# Altium PCB Main_Board.PcbDoc (part 5 of 19) (continued)
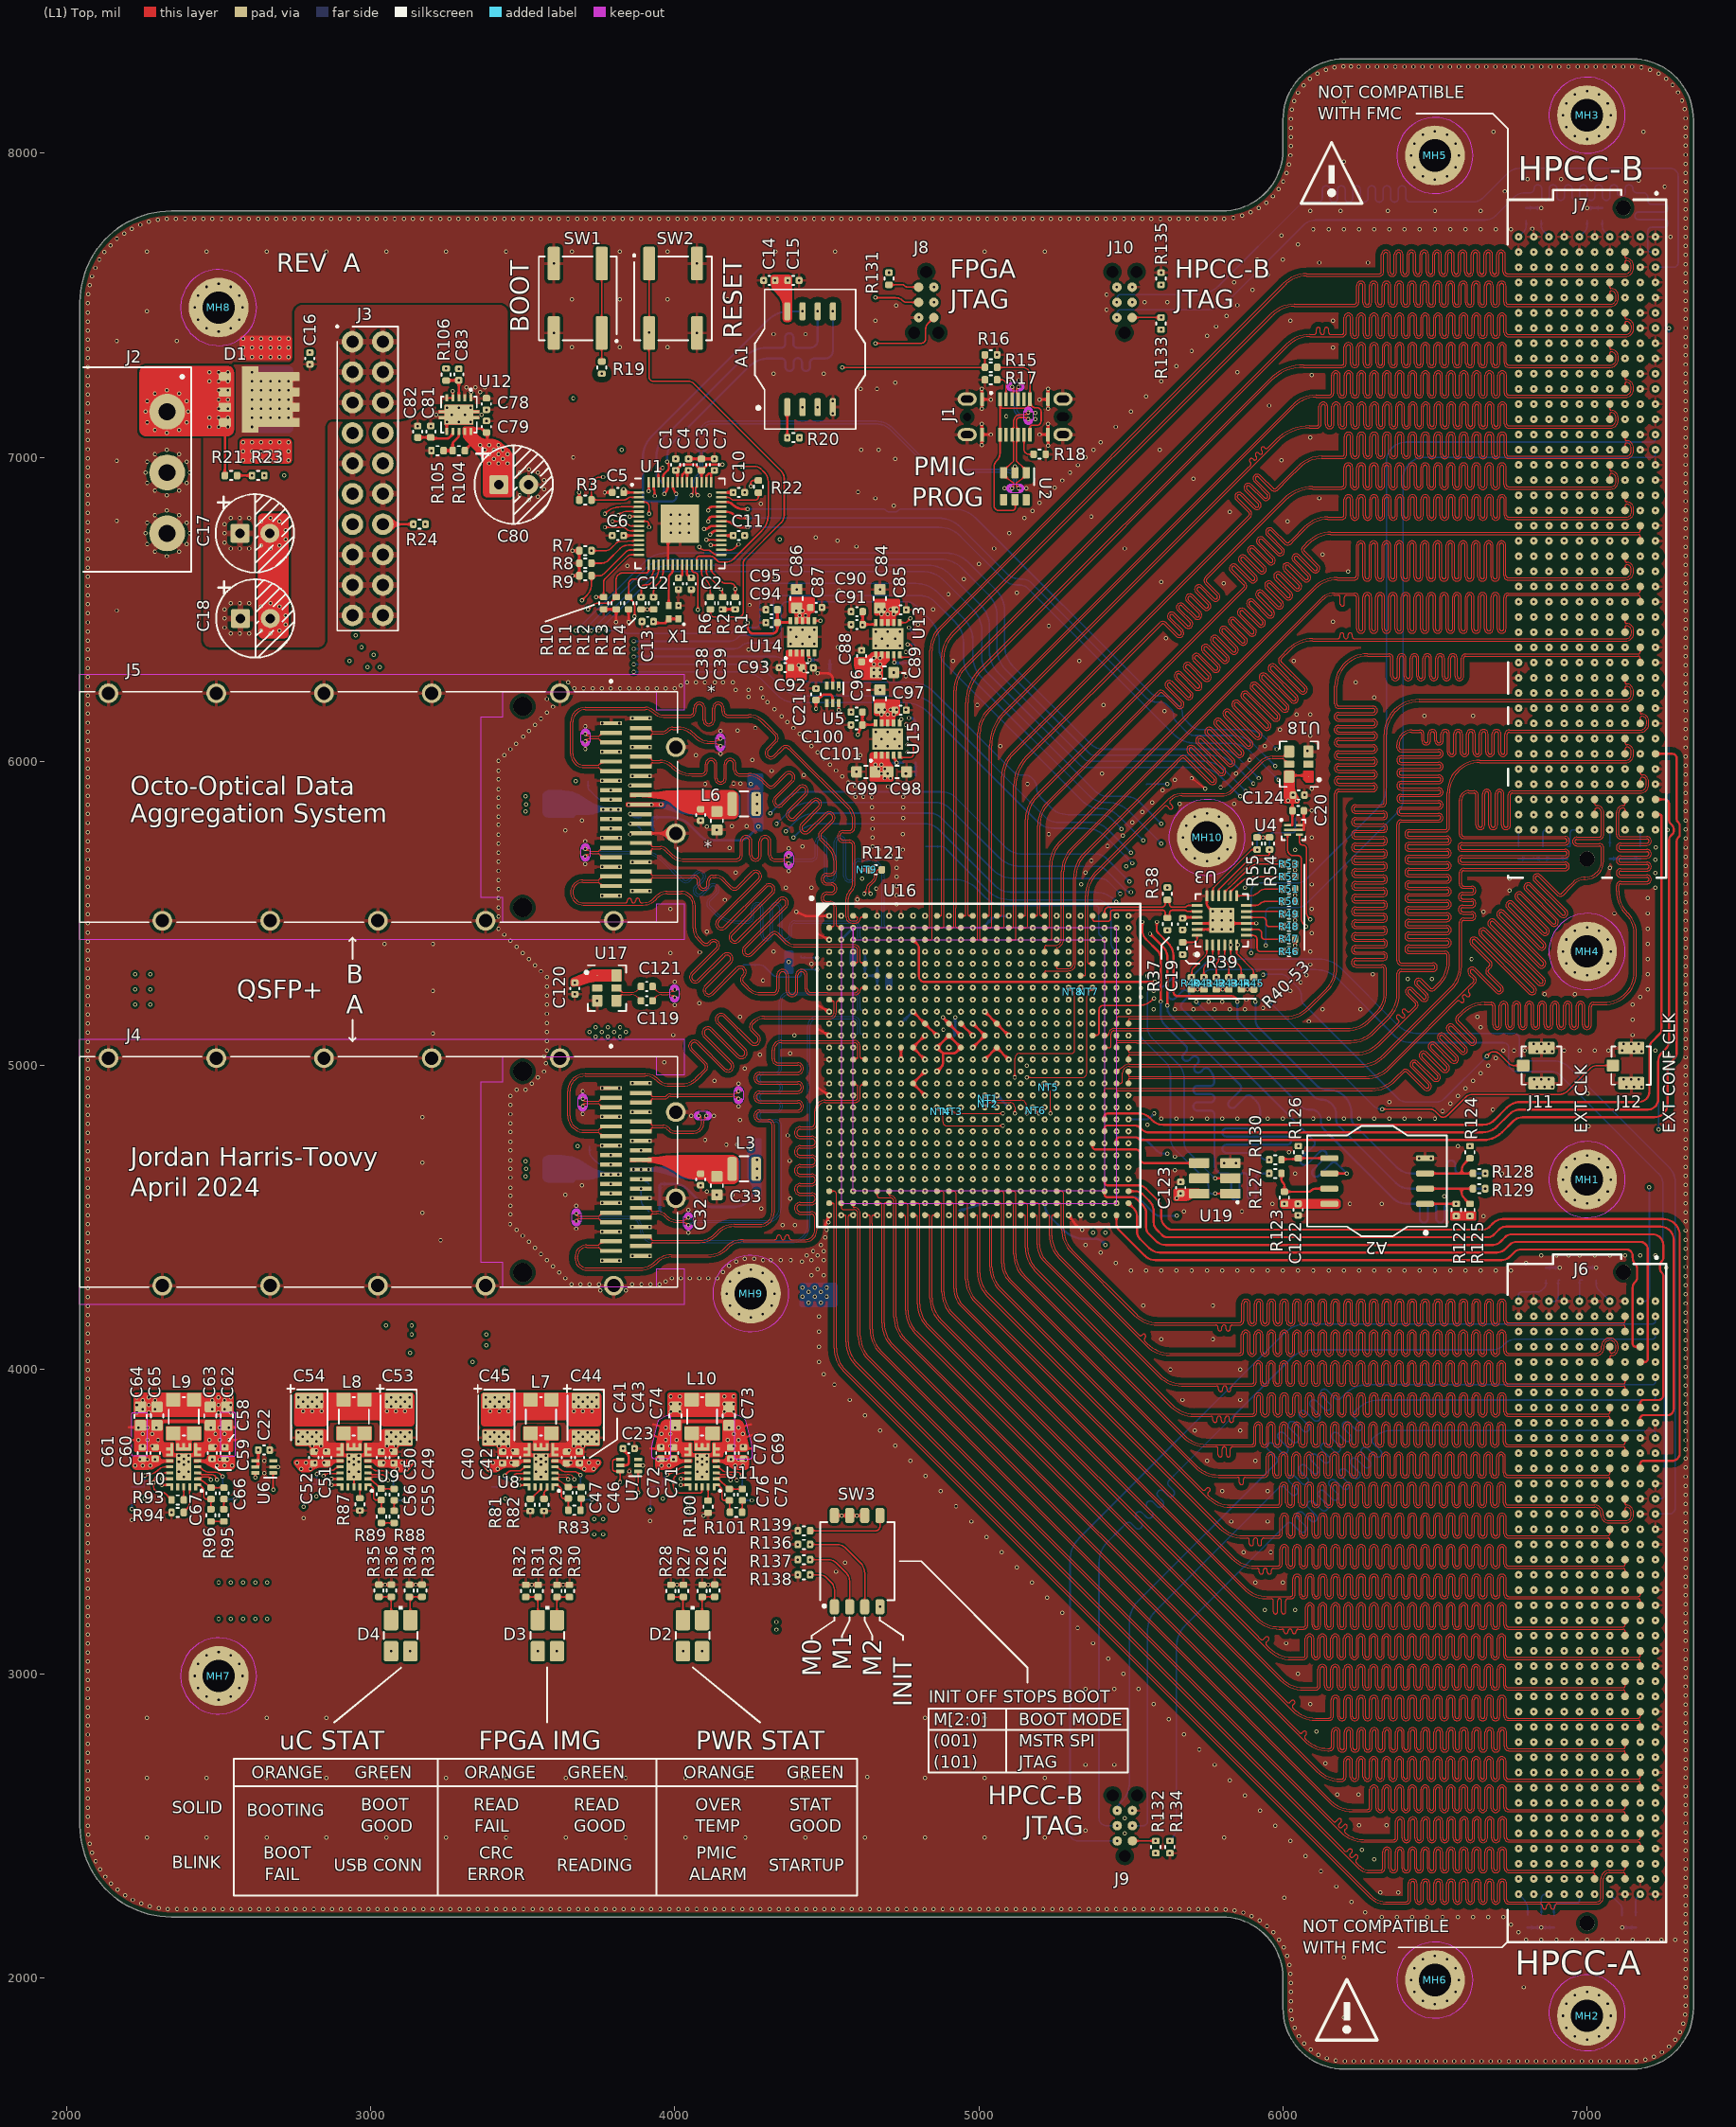
[diagram p0: (L1) Top view]
## Nets (pads, with @x,y where several pads share a name; then routed paths per layer and width w, separated by ;. In a path a pad name is that pad's centre, name@x,y a point inside that pad or via, vN(x,y) a via of type N, cw(c..) or ccw(c..) an arc to the next point about the centre after c; other vN are vias at no path point) (continued)
HPCC_A_05_P: J6.B36 U16.AE3 | length 5022.4
  (L1) Top w3.5: U16.AE3@4586.61,4547.24 4586.61,4536.39 ccw(c4590,4536.39) 4590,4533 cw(c4590,4513) 4610,4513 4610,4481.45 4610.2,4481.25 4610.2,4111.22 ccw(c4710.2,4111.22) 4639.49,4040.51 6149.23,2530.77 6165.26,2514.74 ccw(c6170.03,2519.51) 6174.81,2514.74 6181.37,2521.31 cw(c6186.14,2516.53) 6190.92,2521.31 cw(c6186.14,2516.53) 6190.92,2511.76 6184.21,2505.05 ccw(c6188.98,2500.28) 6184.21,2495.51 ccw(c6188.98,2500.28) 6193.76,2495.51 6200.46,2502.21 cw(c6205.24,2497.44) 6210.01,2502.21 cw(c6205.24,2497.44) 6210.01,2492.67 6204.26,2486.92 ccw(c6209.03,2482.15) 6204.85,2476.85 6214.89,2468.91 ccw(c6267.42,2554) 6216.43,2467.98 ccw(c6267.42,2554) 6260.75,2454.22 ccw(c6267.42,2554) 6267.42,2454 6358.35,2454 6363.88,2454 ccw(c6363.88,2460.75) 6370.63,2460.75 6370.63,2514.75 cw(c6384.93,2514.75) 6399.23,2514.75 6399.23,2458.73 ccw(c6405.98,2458.73) 6412.73,2458.73 6412.73,2514.75 cw(c6427.03,2514.75) 6441.33,2514.75 6441.33,2458.73 ccw(c6448.08,2458.73) 6454.83,2458.73 6454.83,2514.75 cw(c6469.13,2514.75) 6483.43,2514.75 6483.43,2458.73 ccw(c6490.18,2458.73) 6496.93,2458.73 6496.93,2514.75 cw(c6511.23,2514.75) 6525.53,2514.75 6525.53,2458.73 ccw(c6532.28,2458.73) 6539.03,2458.73 6539.03,2514.75 cw(c6553.33,2514.75) 6567.63,2514.75 6567.63,2458.73 ccw(c6574.38,2458.73) 6581.13,2458.73 6581.13,2514.75 cw(c6595.43,2514.75) 6609.73,2514.75 6609.73,2458.73 ccw(c6616.48,2458.73) 6623.23,2458.73 6623.23,2514.75 cw(c6637.53,2514.75) 6651.83,2514.75 6651.83,2458.73 ccw(c6658.58,2458.73) 6665.33,2458.73 6665.33,2514.75 cw(c6679.63,2514.75) 6693.93,2514.75 6693.93,2458.73 ccw(c6700.68,2458.73) 6707.43,2458.73 6707.43,2514.75 cw(c6721.73,2514.75) 6736.03,2514.75 6736.03,2460.75 ccw(c6742.78,2460.75) 6742.78,2454 6771,2454 7169,2454 ccw(c7169,2460) 7175,2460 J6.B36@7175,2475
HPCC_A_06_N: J6.C3 U16.AE20 | length 5138.8
  (L1) Top w3.5: U16.AE20@5255.91,4547.24 5266.9,4547.24 cw(c5266.9,4542.15) 5272,4542.15 5272,4461.87 ccw(c5379.55,4461.87) 5303.5,4385.82 5511.37,4177.95 ccw(c5587.42,4254) 5587.42,4146.45 5764,4146.45 5779.25,4146.45 cw(c5779.25,4139.7) 5786,4139.7 5786,4133.82 ccw(c5792.75,4133.82) 5799.5,4133.82 5799.5,4139.9 cw(c5806.25,4139.9) 5813,4139.9 5813,4133.82 ccw(c5819.75,4133.82) 5826.5,4133.82 5826.5,4139.7 cw(c5833.25,4139.7) 5833.25,4146.45 5844,4146.45 5851.54,4146.45 5857.06,4146.45 ccw(c5857.06,4160.75) 5871.36,4160.75 5871.36,4217.14 cw(c5878.11,4217.14) 5884.86,4217.14 5884.86,4158.45 ccw(c5899.16,4158.45) 5913.46,4158.45 5913.46,4217.14 cw(c5920.21,4217.14) 5926.96,4217.14 5926.96,4158.45 ccw(c5941.26,4158.45) 5955.56,4158.45 5955.56,4217.14 cw(c5962.31,4217.14) 5969.06,4217.14 5969.06,4158.45 ccw(c5983.36,4158.45) 5997.66,4158.45 5997.66,4217.14 cw(c6004.41,4217.14) 6011.16,4217.14 6011.16,4158.45 ccw(c6025.46,4158.45) 6039.76,4158.45 6039.76,4217.14 cw(c6046.51,4217.14) 6053.26,4217.14 6053.26,4158.45 ccw(c6067.56,4158.45) 6081.86,4158.45 6081.86,4217.14 cw(c6088.61,4217.14) 6095.36,4217.14 6095.36,4158.45 ccw(c6109.66,4158.45) 6123.96,4158.45 6123.96,4217.14 cw(c6130.71,4217.14) 6137.46,4217.14 6137.46,4158.45 ccw(c6151.76,4158.45) 6166.06,4158.45 6166.06,4217.14 cw(c6172.81,4217.14) 6179.56,4217.14 6179.56,4158.45 ccw(c6193.86,4158.45) 6208.16,4158.45 6208.16,4217.14 cw(c6214.91,4217.14) 6221.66,4217.14 6221.66,4158.45 ccw(c6235.96,4158.45) 6250.26,4158.45 6250.26,4217.14 cw(c6257.01,4217.14) 6263.76,4217.14 6263.76,4158.45 ccw(c6278.06,4158.45) 6292.36,4158.45 6292.36,4217.14 cw(c6299.11,4217.14) 6305.86,4217.14 6305.86,4158.45 ccw(c6320.16,4158.45) 6334.46,4158.45 6334.46,4217.14 cw(c6341.21,4217.14) 6347.96,4217.14 6347.96,4158.45 ccw(c6362.26,4158.45) 6376.56,4158.45 6376.56,4217.14 cw(c6383.31,4217.14) 6390.06,4217.14 6390.06,4158.45 ccw(c6404.36,4158.45) 6418.66,4158.45 6418.66,4217.14 cw(c6425.41,4217.14) 6432.16,4217.14 6432.16,4158.45 ccw(c6446.46,4158.45) 6460.76,4158.45 6460.76,4217.14 cw(c6467.51,4217.14) 6474.26,4217.14 6474.26,4158.45 ccw(c6488.56,4158.45) 6502.86,4158.45 6502.86,4217.14 cw(c6509.61,4217.14) 6516.36,4217.14 6516.36,4158.45 ccw(c6530.66,4158.45) 6544.96,4158.45 6544.96,4217.14 cw(c6551.71,4217.14) 6558.46,4217.14 6558.46,4158.45 ccw(c6572.76,4158.45) 6587.06,4158.45 6587.06,4217.14 cw(c6593.81,4217.14) 6600.56,4217.14 6600.56,4158.45 ccw(c6614.86,4158.45) 6629.16,4158.45 6629.16,4217.14 cw(c6635.91,4217.14) 6642.66,4217.14 6642.66,4158.45 ccw(c6656.96,4158.45) 6671.26,4158.45 6671.26,4217.14 cw(c6678.01,4217.14) 6684.76,4217.14 6684.76,4158.45 ccw(c6699.06,4158.45) 6713.36,4158.45 6713.36,4217.14 cw(c6720.11,4217.14) 6726.86,4217.14 6726.86,4160.75 ccw(c6741.16,4160.75) 6741.16,4146.45 6802,4146.45 7120,4146.45 cw(c7120,4141.45) 7125,4141.45 J6.C3@7125,4125
HPCC_A_06_P: J6.C2 U16.AD20 | length 5116.6
  (L1) Top w3.5: U16.AD20@5255.91,4586.61 5269.83,4586.61 cw(c5269.83,4577.1) 5279.35,4577.1 5279.35,4481.45 5279.55,4481.25 5279.55,4461.87 ccw(c5379.55,4461.87) 5308.84,4391.16 5516.71,4183.29 ccw(c5587.42,4254) 5587.42,4154 5851.54,4154 5857.06,4154 ccw(c5857.06,4160.75) 5863.81,4160.75 5863.81,4217.14 cw(c5878.11,4217.14) 5892.41,4217.14 5892.41,4158.45 ccw(c5899.16,4158.45) 5905.91,4158.45 5905.91,4217.14 cw(c5920.21,4217.14) 5934.51,4217.14 5934.51,4158.45 ccw(c5941.26,4158.45) 5948.01,4158.45 5948.01,4217.14 cw(c5962.31,4217.14) 5976.61,4217.14 5976.61,4158.45 ccw(c5983.36,4158.45) 5990.11,4158.45 5990.11,4217.14 cw(c6004.41,4217.14) 6018.71,4217.14 6018.71,4158.45 ccw(c6025.46,4158.45) 6032.21,4158.45 6032.21,4217.14 cw(c6046.51,4217.14) 6060.81,4217.14 6060.81,4158.45 ccw(c6067.56,4158.45) 6074.31,4158.45 6074.31,4217.14 cw(c6088.61,4217.14) 6102.91,4217.14 6102.91,4158.45 ccw(c6109.66,4158.45) 6116.41,4158.45 6116.41,4217.14 cw(c6130.71,4217.14) 6145.01,4217.14 6145.01,4158.45 ccw(c6151.76,4158.45) 6158.51,4158.45 6158.51,4217.14 cw(c6172.81,4217.14) 6187.11,4217.14 6187.11,4158.45 ccw(c6193.86,4158.45) 6200.61,4158.45 6200.61,4217.14 cw(c6214.91,4217.14) 6229.21,4217.14 6229.21,4158.45 ccw(c6235.96,4158.45) 6242.71,4158.45 6242.71,4217.14 cw(c6257.01,4217.14) 6271.31,4217.14 6271.31,4158.45 ccw(c6278.06,4158.45) 6284.81,4158.45 6284.81,4217.14 cw(c6299.11,4217.14) 6313.41,4217.14 6313.41,4158.45 ccw(c6320.16,4158.45) 6326.91,4158.45 6326.91,4217.14 cw(c6341.21,4217.14) 6355.51,4217.14 6355.51,4158.45 ccw(c6362.26,4158.45) 6369.01,4158.45 6369.01,4217.14 cw(c6383.31,4217.14) 6397.61,4217.14 6397.61,4158.45 ccw(c6404.36,4158.45) 6411.11,4158.45 6411.11,4217.14 cw(c6425.41,4217.14) 6439.71,4217.14 6439.71,4158.45 ccw(c6446.46,4158.45) 6453.21,4158.45 6453.21,4217.14 cw(c6467.51,4217.14) 6481.81,4217.14 6481.81,4158.45 ccw(c6488.56,4158.45) 6495.31,4158.45 6495.31,4217.14 cw(c6509.61,4217.14) 6523.91,4217.14 6523.91,4158.45 ccw(c6530.66,4158.45) 6537.41,4158.45 6537.41,4217.14 cw(c6551.71,4217.14) 6566.01,4217.14 6566.01,4158.45 ccw(c6572.76,4158.45) 6579.51,4158.45 6579.51,4217.14 cw(c6593.81,4217.14) 6608.11,4217.14 6608.11,4158.45 ccw(c6614.86,4158.45) 6621.61,4158.45 6621.61,4217.14 cw(c6635.91,4217.14) 6650.21,4217.14 6650.21,4158.45 ccw(c6656.96,4158.45) 6663.71,4158.45 6663.71,4217.14 cw(c6678.01,4217.14) 6692.31,4217.14 6692.31,4158.45 ccw(c6699.06,4158.45) 6705.81,4158.45 6705.81,4217.14 cw(c6720.11,4217.14) 6734.41,4217.14 6734.41,4160.75 ccw(c6741.16,4160.75) 6741.16,4154 6802,4154 7120,4154 ccw(c7120,4159) 7125,4159 J6.C2@7125,4175
HPCC_A_07_N: J6.C7 U16.AF18 | length 4955.6
  (L1) Top w3.5: U16.AF18@5177.17,4507.87 5187.13,4507.87 cw(c5187.13,4503) 5192,4503 5192,4411.87 ccw(c5275.41,4411.87) 5216.43,4352.89 5592.47,3976.86 ccw(c5666.39,4050.78) 5666.39,3946.24 5766.5,3946.24 5781.75,3946.24 cw(c5781.75,3939.49) 5788.5,3939.49 5788.5,3934.36 ccw(c5795.25,3934.36) 5802,3934.36 5802,3939.69 cw(c5808.75,3939.69) 5815.5,3939.69 5815.5,3934.36 ccw(c5822.25,3934.36) 5829,3934.36 5829,3939.49 cw(c5835.75,3939.49) 5835.75,3946.24 5850.77,3946.24 5851,3946.24 5897.98,3946.24 ccw(c5897.98,3960.54) 5912.28,3960.54 5912.28,4013.79 cw(c5919.03,4013.79) 5925.78,4013.79 5925.78,3959.84 ccw(c5940.08,3959.84) 5954.38,3959.84 5954.38,4013.79 cw(c5961.13,4013.79) 5967.88,4013.79 5967.88,3959.84 ccw(c5982.18,3959.84) 5996.48,3959.84 5996.48,4013.79 cw(c6003.23,4013.79) 6009.98,4013.79 6009.98,3959.84 ccw(c6024.28,3959.84) 6038.58,3959.84 6038.58,4013.79 cw(c6045.33,4013.79) 6052.08,4013.79 6052.08,3959.84 ccw(c6066.38,3959.84) 6080.68,3959.84 6080.68,4013.79 cw(c6087.43,4013.79) 6094.18,4013.79 6094.18,3959.84 ccw(c6108.48,3959.84) 6122.78,3959.84 6122.78,4013.79 cw(c6129.53,4013.79) 6136.28,4013.79 6136.28,3959.84 ccw(c6150.58,3959.84) 6164.88,3959.84 6164.88,4013.79 cw(c6171.63,4013.79) 6178.38,4013.79 6178.38,3959.84 ccw(c6192.68,3959.84) 6206.98,3959.84 6206.98,4013.79 cw(c6213.73,4013.79) 6220.48,4013.79 6220.48,3959.84 ccw(c6234.78,3959.84) 6249.08,3959.84 6249.08,4013.79 cw(c6255.83,4013.79) 6262.58,4013.79 6262.58,3959.84 ccw(c6276.88,3959.84) 6291.18,3959.84 6291.18,4013.79 cw(c6297.93,4013.79) 6304.68,4013.79 6304.68,3959.84 ccw(c6318.98,3959.84) 6333.28,3959.84 6333.28,4013.79 cw(c6340.03,4013.79) 6346.78,4013.79 6346.78,3959.84 ccw(c6361.08,3959.84) 6375.38,3959.84 6375.38,4013.79 cw(c6382.13,4013.79) 6388.88,4013.79 6388.88,3959.84 ccw(c6403.18,3959.84) 6417.48,3959.84 6417.48,4013.79 cw(c6424.23,4013.79) 6430.98,4013.79 6430.98,3959.84 ccw(c6445.28,3959.84) 6459.58,3959.84 6459.58,4013.79 cw(c6466.33,4013.79) 6473.08,4013.79 6473.08,3959.84 ccw(c6487.38,3959.84) 6501.68,3959.84 6501.68,4013.79 cw(c6508.43,4013.79) 6515.18,4013.79 6515.18,3959.84 ccw(c6529.48,3959.84) 6543.78,3959.84 6543.78,4013.79 cw(c6550.53,4013.79) 6557.28,4013.79 6557.28,3959.84 ccw(c6571.58,3959.84) 6585.88,3959.84 6585.88,4013.79 cw(c6592.63,4013.79) 6599.38,4013.79 6599.38,3959.84 ccw(c6613.68,3959.84) 6627.98,3959.84 6627.98,4013.79 cw(c6634.73,4013.79) 6641.48,4013.79 6641.48,3959.84 ccw(c6655.78,3959.84) 6670.08,3959.84 6670.08,4013.79 cw(c6676.83,4013.79) 6683.58,4013.79 6683.58,3959.84 ccw(c6697.88,3959.84) 6712.18,3959.84 6712.18,4013.79 cw(c6718.93,4013.79) 6725.68,4013.79 6725.68,3960.54 ccw(c6739.98,3960.54) 6739.98,3946.24 6766.56,3946.24 7111.69,3946.24 ; 7111.7,3946.22 7121.5,3946.22 cw(c7121.5,3942.73) 7123.97,3945.2 cw(c7121.5,3942.72) 7125,3942.72 J6.C7@7125,3925
HPCC_A_07_P: J6.C6 U16.AE18 | length 4937.4
  (L1) Top w3.5: U16.AE18@5177.17,4547.24 5190.95,4547.24 cw(c5190.95,4538.84) 5199.35,4538.84 5199.35,4481.45 5199.55,4481.25 5199.55,4411.87 ccw(c5275.41,4411.87) 5221.77,4358.23 5597.8,3982.2 ccw(c5666.39,4050.78) 5666.39,3953.79 5851,3953.79 5897.98,3953.79 ccw(c5897.98,3960.54) 5904.73,3960.54 5904.73,4013.79 cw(c5919.03,4013.79) 5933.33,4013.79 5933.33,3959.84 ccw(c5940.08,3959.84) 5946.83,3959.84 5946.83,4013.79 cw(c5961.13,4013.79) 5975.43,4013.79 5975.43,3959.84 ccw(c5982.18,3959.84) 5988.93,3959.84 5988.93,4013.79 cw(c6003.23,4013.79) 6017.53,4013.79 6017.53,3959.84 ccw(c6024.28,3959.84) 6031.03,3959.84 6031.03,4013.79 cw(c6045.33,4013.79) 6059.63,4013.79 6059.63,3959.84 ccw(c6066.38,3959.84) 6073.13,3959.84 6073.13,4013.79 cw(c6087.43,4013.79) 6101.73,4013.79 6101.73,3959.84 ccw(c6108.48,3959.84) 6115.23,3959.84 6115.23,4013.79 cw(c6129.53,4013.79) 6143.83,4013.79 6143.83,3959.84 ccw(c6150.58,3959.84) 6157.33,3959.84 6157.33,4013.79 cw(c6171.63,4013.79) 6185.93,4013.79 6185.93,3959.84 ccw(c6192.68,3959.84) 6199.43,3959.84 6199.43,4013.79 cw(c6213.73,4013.79) 6228.03,4013.79 6228.03,3959.84 ccw(c6234.78,3959.84) 6241.53,3959.84 6241.53,4013.79 cw(c6255.83,4013.79) 6270.13,4013.79 6270.13,3959.84 ccw(c6276.88,3959.84) 6283.63,3959.84 6283.63,4013.79 cw(c6297.93,4013.79) 6312.23,4013.79 6312.23,3959.84 ccw(c6318.98,3959.84) 6325.73,3959.84 6325.73,4013.79 cw(c6340.03,4013.79) 6354.33,4013.79 6354.33,3959.84 ccw(c6361.08,3959.84) 6367.83,3959.84 6367.83,4013.79 cw(c6382.13,4013.79) 6396.43,4013.79 6396.43,3959.84 ccw(c6403.18,3959.84) 6409.93,3959.84 6409.93,4013.79 cw(c6424.23,4013.79) 6438.53,4013.79 6438.53,3959.84 ccw(c6445.28,3959.84) 6452.03,3959.84 6452.03,4013.79 cw(c6466.33,4013.79) 6480.63,4013.79 6480.63,3959.84 ccw(c6487.38,3959.84) 6494.13,3959.84 6494.13,4013.79 cw(c6508.43,4013.79) 6522.73,4013.79 6522.73,3959.84 ccw(c6529.48,3959.84) 6536.23,3959.84 6536.23,4013.79 cw(c6550.53,4013.79) 6564.83,4013.79 6564.83,3959.84 ccw(c6571.58,3959.84) 6578.33,3959.84 6578.33,4013.79 cw(c6592.63,4013.79) 6606.93,4013.79 6606.93,3959.84 ccw(c6613.68,3959.84) 6620.43,3959.84 6620.43,4013.79 cw(c6634.73,4013.79) 6649.03,4013.79 6649.03,3959.84 ccw(c6655.78,3959.84) 6662.53,3959.84 6662.53,4013.79 cw(c6676.83,4013.79) 6691.13,4013.79 6691.13,3959.84 ccw(c6697.88,3959.84) 6704.63,3959.84 6704.63,4013.79 cw(c6718.93,4013.79) 6733.23,4013.79 6733.23,3960.54 ccw(c6739.98,3960.54) 6739.98,3953.79 6766.56,3953.79 7114.82,3953.79 ; 7114.83,3953.78 7121.5,3953.78 ccw(c7121.5,3957.27) 7123.97,3954.8 ccw(c7121.5,3957.28) 7125,3957.28 J6.C6@7125,3975
HPCC_A_08_N: J6.C11 U16.AE16 | length 5220.7
  (L1) Top w3.5: U16.AE16@5098.43,4547.24 5110.15,4547.24 cw(c5110.15,4542.85) 5114.55,4542.85 5114.55,4379.32 ccw(c5222.1,4379.32) 5146.05,4303.27 5671.87,3777.45 ccw(c5747.92,3853.5) 5747.92,3745.95 5765,3745.95 5780.25,3745.95 cw(c5780.25,3739.2) 5787,3739.2 5787,3719.53 ccw(c5793.75,3719.53) 5800.5,3719.53 5800.5,3739.4 cw(c5807.25,3739.4) 5814,3739.4 5814,3719.53 ccw(c5820.75,3719.53) 5827.5,3719.53 5827.5,3739.2 cw(c5834.25,3739.2) 5834.25,3745.95 5858,3745.95 5874,3745.95 5897.32,3745.95 ccw(c5897.32,3760.25) 5911.62,3760.25 5911.62,3812.75 cw(c5918.37,3812.75) 5925.12,3812.75 5925.12,3759.21 ccw(c5939.42,3759.21) 5953.72,3759.21 5953.72,3812.75 cw(c5960.47,3812.75) 5967.22,3812.75 5967.22,3759.21 ccw(c5981.52,3759.21) 5995.82,3759.21 5995.82,3812.75 cw(c6002.57,3812.75) 6009.32,3812.75 6009.32,3759.21 ccw(c6023.62,3759.21) 6037.92,3759.21 6037.92,3812.75 cw(c6044.67,3812.75) 6051.42,3812.75 6051.42,3759.21 ccw(c6065.72,3759.21) 6080.02,3759.21 6080.02,3812.75 cw(c6086.77,3812.75) 6093.52,3812.75 6093.52,3759.21 ccw(c6107.82,3759.21) 6122.12,3759.21 6122.12,3812.75 cw(c6128.87,3812.75) 6135.62,3812.75 6135.62,3759.21 ccw(c6149.92,3759.21) 6164.22,3759.21 6164.22,3812.75 cw(c6170.97,3812.75) 6177.72,3812.75 6177.72,3759.21 ccw(c6192.02,3759.21) 6206.32,3759.21 6206.32,3812.75 cw(c6213.07,3812.75) 6219.82,3812.75 6219.82,3759.21 ccw(c6234.12,3759.21) 6248.42,3759.21 6248.42,3812.75 cw(c6255.17,3812.75) 6261.92,3812.75 6261.92,3759.21 ccw(c6276.22,3759.21) 6290.52,3759.21 6290.52,3812.75 cw(c6297.27,3812.75) 6304.02,3812.75 6304.02,3759.21 ccw(c6318.32,3759.21) 6332.62,3759.21 6332.62,3812.75 cw(c6339.37,3812.75) 6346.12,3812.75 6346.12,3759.21 ccw(c6360.42,3759.21) 6374.72,3759.21 6374.72,3812.75 cw(c6381.47,3812.75) 6388.22,3812.75 6388.22,3759.21 ccw(c6402.52,3759.21) 6416.82,3759.21 6416.82,3812.75 cw(c6423.57,3812.75) 6430.32,3812.75 6430.32,3759.21 ccw(c6444.62,3759.21) 6458.92,3759.21 6458.92,3812.75 cw(c6465.67,3812.75) 6472.42,3812.75 6472.42,3759.21 ccw(c6486.72,3759.21) 6501.02,3759.21 6501.02,3812.75 cw(c6507.77,3812.75) 6514.52,3812.75 6514.52,3759.21 ccw(c6528.82,3759.21) 6543.12,3759.21 6543.12,3812.75 cw(c6549.87,3812.75) 6556.62,3812.75 6556.62,3759.21 ccw(c6570.92,3759.21) 6585.22,3759.21 6585.22,3812.75 cw(c6591.97,3812.75) 6598.72,3812.75 6598.72,3759.21 ccw(c6613.02,3759.21) 6627.32,3759.21 6627.32,3812.75 cw(c6634.07,3812.75) 6640.82,3812.75 6640.82,3759.21 ccw(c6655.12,3759.21) 6669.42,3759.21 6669.42,3812.75 cw(c6676.17,3812.75) 6682.92,3812.75 6682.92,3759.21 ccw(c6697.22,3759.21) 6711.52,3759.21 6711.52,3812.75 cw(c6718.27,3812.75) 6725.02,3812.75 6725.02,3760.25 ccw(c6739.32,3760.25) 6739.32,3745.95 6808,3745.95 7120,3745.95 cw(c7120,3740.95) 7125,3740.95 J6.C11@7125,3725
HPCC_A_08_P: J6.C10 U16.AD16 | length 5144.6
  (L1) Top w3.5: U16.AD16@5098.43,4586.61 5113.7,4586.61 cw(c5113.7,4578.42) 5121.9,4578.42 5121.9,4481.45 5122.1,4481.25 5122.1,4379.32 ccw(c5222.1,4379.32) 5151.39,4308.61 5677.21,3782.79 ccw(c5747.92,3853.5) 5747.92,3753.5 5874,3753.5 5897.32,3753.5 ccw(c5897.32,3760.25) 5904.07,3760.25 5904.07,3812.75 cw(c5918.37,3812.75) 5932.67,3812.75 5932.67,3759.21 ccw(c5939.42,3759.21) 5946.17,3759.21 5946.17,3812.75 cw(c5960.47,3812.75) 5974.77,3812.75 5974.77,3759.21 ccw(c5981.52,3759.21) 5988.27,3759.21 5988.27,3812.75 cw(c6002.57,3812.75) 6016.87,3812.75 6016.87,3759.21 ccw(c6023.62,3759.21) 6030.37,3759.21 6030.37,3812.75 cw(c6044.67,3812.75) 6058.97,3812.75 6058.97,3759.21 ccw(c6065.72,3759.21) 6072.47,3759.21 6072.47,3812.75 cw(c6086.77,3812.75) 6101.07,3812.75 6101.07,3759.21 ccw(c6107.82,3759.21) 6114.57,3759.21 6114.57,3812.75 cw(c6128.87,3812.75) 6143.17,3812.75 6143.17,3759.21 ccw(c6149.92,3759.21) 6156.67,3759.21 6156.67,3812.75 cw(c6170.97,3812.75) 6185.27,3812.75 6185.27,3759.21 ccw(c6192.02,3759.21) 6198.77,3759.21 6198.77,3812.75 cw(c6213.07,3812.75) 6227.37,3812.75 6227.37,3759.21 ccw(c6234.12,3759.21) 6240.87,3759.21 6240.87,3812.75 cw(c6255.17,3812.75) 6269.47,3812.75 6269.47,3759.21 ccw(c6276.22,3759.21) 6282.97,3759.21 6282.97,3812.75 cw(c6297.27,3812.75) 6311.57,3812.75 6311.57,3759.21 ccw(c6318.32,3759.21) 6325.07,3759.21 6325.07,3812.75 cw(c6339.37,3812.75) 6353.67,3812.75 6353.67,3759.21 ccw(c6360.42,3759.21) 6367.17,3759.21 6367.17,3812.75 cw(c6381.47,3812.75) 6395.77,3812.75 6395.77,3759.21 ccw(c6402.52,3759.21) 6409.27,3759.21 6409.27,3812.75 cw(c6423.57,3812.75) 6437.87,3812.75 6437.87,3759.21 ccw(c6444.62,3759.21) 6451.37,3759.21 6451.37,3812.75 cw(c6465.67,3812.75) 6479.97,3812.75 6479.97,3759.21 ccw(c6486.72,3759.21) 6493.47,3759.21 6493.47,3812.75 cw(c6507.77,3812.75) 6522.07,3812.75 6522.07,3759.21 ccw(c6528.82,3759.21) 6535.57,3759.21 6535.57,3812.75 cw(c6549.87,3812.75) 6564.17,3812.75 6564.17,3759.21 ccw(c6570.92,3759.21) 6577.67,3759.21 6577.67,3812.75 cw(c6591.97,3812.75) 6606.27,3812.75 6606.27,3759.21 ccw(c6613.02,3759.21) 6619.77,3759.21 6619.77,3812.75 cw(c6634.07,3812.75) 6648.37,3812.75 6648.37,3759.21 ccw(c6655.12,3759.21) 6661.87,3759.21 6661.87,3812.75 cw(c6676.17,3812.75) 6690.47,3812.75 6690.47,3759.21 ccw(c6697.22,3759.21) 6703.97,3759.21 6703.97,3812.75 cw(c6718.27,3812.75) 6732.57,3812.75 6732.57,3760.25 ccw(c6739.32,3760.25) 6739.32,3753.5 6808,3753.5 7120,3753.5 ccw(c7120,3758.5) 7125,3758.5 J6.C10@7125,3775
HPCC_A_09_N: J6.C15 U16.AF15 | length 5126.9
  (L1) Top w3.5: U16.AF15@5059.06,4507.87 5046.55,4507.87 ccw(c5046.55,4504.37) 5044.07,4506.85 ccw(c5046.55,4504.37) 5043.05,4504.37 5043.05,4338.38 ccw(c5143.05,4338.38) 5072.33,4267.67 5727.51,3612.49 5735.18,3604.82 ccw(c5739.95,3609.59) 5744.73,3604.82 5749.43,3609.52 cw(c5754.2,3604.75) 5758.97,3609.52 cw(c5754.2,3604.75) 5758.97,3599.98 ; 5758.98,3599.97 5754.27,3595.27 ccw(c5759.05,3590.5) 5754.27,3585.73 5756.16,3583.84 5764.24,3576.6 ccw(c5826.87,3654.55) 5765.62,3575.51 ccw(c5826.87,3654.55) 5826.87,3554.55 5976.33,3554.55 5981.85,3554.55 ccw(c5981.85,3561.3) 5988.6,3561.3 5988.6,3614.59 cw(c6002.9,3614.59) 6017.2,3614.59 6017.2,3560.7 ccw(c6023.95,3560.7) 6030.7,3560.7 6030.7,3614.59 cw(c6045,3614.59) 6059.3,3614.59 6059.3,3560.7 ccw(c6066.05,3560.7) 6072.8,3560.7 6072.8,3614.59 cw(c6087.1,3614.59) 6101.4,3614.59 6101.4,3560.7 ccw(c6108.15,3560.7) 6114.9,3560.7 6114.9,3614.59 cw(c6129.2,3614.59) 6143.5,3614.59 6143.5,3560.7 ccw(c6150.25,3560.7) 6157,3560.7 6157,3614.59 cw(c6171.3,3614.59) 6185.6,3614.59 6185.6,3560.7 ccw(c6192.35,3560.7) 6199.1,3560.7 6199.1,3614.59 cw(c6213.4,3614.59) 6227.7,3614.59 6227.7,3560.7 ccw(c6234.45,3560.7) 6241.2,3560.7 6241.2,3614.59 cw(c6255.5,3614.59) 6269.8,3614.59 6269.8,3560.7 ccw(c6276.55,3560.7) 6283.3,3560.7 6283.3,3614.59 cw(c6297.6,3614.59) 6311.9,3614.59 6311.9,3560.7 ccw(c6318.65,3560.7) 6325.4,3560.7 6325.4,3614.59 cw(c6339.7,3614.59) 6354,3614.59 6354,3560.7 ccw(c6360.75,3560.7) 6367.5,3560.7 6367.5,3614.59 cw(c6381.8,3614.59) 6396.1,3614.59 6396.1,3560.7 ccw(c6402.85,3560.7) 6409.6,3560.7 6409.6,3614.59 cw(c6423.9,3614.59) 6438.2,3614.59 6438.2,3560.7 ccw(c6444.95,3560.7) 6451.7,3560.7 6451.7,3614.59 cw(c6466,3614.59) 6480.3,3614.59 6480.3,3560.7 ccw(c6487.05,3560.7) 6493.8,3560.7 6493.8,3614.59 cw(c6508.1,3614.59) 6522.4,3614.59 6522.4,3560.7 ccw(c6529.15,3560.7) 6535.9,3560.7 6535.9,3614.59 cw(c6550.2,3614.59) 6564.5,3614.59 6564.5,3560.7 ccw(c6571.25,3560.7) 6578,3560.7 6578,3614.59 cw(c6592.3,3614.59) 6606.6,3614.59 6606.6,3560.7 ccw(c6613.35,3560.7) 6620.1,3560.7 6620.1,3614.59 cw(c6634.4,3614.59) 6648.7,3614.59 6648.7,3560.7 ccw(c6655.45,3560.7) 6662.2,3560.7 6662.2,3614.59 cw(c6676.5,3614.59) 6690.8,3614.59 6690.8,3560.7 ccw(c6697.55,3560.7) 6704.3,3560.7 6704.3,3614.59 cw(c6718.6,3614.59) 6732.9,3614.59 6732.9,3561.3 ccw(c6739.65,3561.3) 6739.65,3554.55 6784,3554.55 7025,3554.55 cw(c7025,3526.55) 7053,3526.55 7053,3521 ccw(c7070,3521) 7070,3504 7129,3504 ccw(c7129,3520) 7145,3520 7145,3531 ccw(c7129,3531) 7129,3547 ccw(c7129,3543) 7125,3543 J6.C15@7125,3525
HPCC_A_09_P: J6.C14 U16.AF14 | length 5132.8
  (L1) Top w3.5: U16.AF14@5019.69,4507.87 5032.2,4507.87 cw(c5032.2,4504.37) 5034.67,4506.85 cw(c5032.19,4504.37) 5035.7,4504.37 5035.7,4481.45 5035.5,4481.25 5035.5,4338.38 ccw(c5143.05,4338.38) 5035.56,4334.54 ; 5035.5,4335.25 5035.56,4334.54 ; J6.C14@7125,3575 7125,3558.55 ccw(c7129,3558.55) 7129,3554.55 cw(c7129,3531) 7152.55,3531 7152.55,3520 cw(c7129,3520) 7129,3496.45 7070,3496.45 cw(c7070,3521) 7045.45,3521 7045.45,3526.55 ccw(c7025,3526.55) 7025,3547 6784,3547 6739.65,3547 cw(c6739.65,3561.3) 6725.35,3561.3 6725.35,3614.59 ccw(c6718.6,3614.59) 6711.85,3614.59 6711.85,3560.7 cw(c6697.55,3560.7) 6683.25,3560.7 6683.25,3614.59 ccw(c6676.5,3614.59) 6669.75,3614.59 6669.75,3560.7 cw(c6655.45,3560.7) 6641.15,3560.7 6641.15,3614.59 ccw(c6634.4,3614.59) 6627.65,3614.59 6627.65,3560.7 cw(c6613.35,3560.7) 6599.05,3560.7 6599.05,3614.59 ccw(c6592.3,3614.59) 6585.55,3614.59 6585.55,3560.7 cw(c6571.25,3560.7) 6556.95,3560.7 6556.95,3614.59 ccw(c6550.2,3614.59) 6543.45,3614.59 6543.45,3560.7 cw(c6529.15,3560.7) 6514.85,3560.7 6514.85,3614.59 ccw(c6508.1,3614.59) 6501.35,3614.59 6501.35,3560.7 cw(c6487.05,3560.7) 6472.75,3560.7 6472.75,3614.59 ccw(c6466,3614.59) 6459.25,3614.59 6459.25,3560.7 cw(c6444.95,3560.7) 6430.65,3560.7 6430.65,3614.59 ccw(c6423.9,3614.59) 6417.15,3614.59 6417.15,3560.7 cw(c6402.85,3560.7) 6388.55,3560.7 6388.55,3614.59 ccw(c6381.8,3614.59) 6375.05,3614.59 6375.05,3560.7 cw(c6360.75,3560.7) 6346.45,3560.7 6346.45,3614.59 ccw(c6339.7,3614.59) 6332.95,3614.59 6332.95,3560.7 cw(c6318.65,3560.7) 6304.35,3560.7 6304.35,3614.59 ccw(c6297.6,3614.59) 6290.85,3614.59 6290.85,3560.7 cw(c6276.55,3560.7) 6262.25,3560.7 6262.25,3614.59 ccw(c6255.5,3614.59) 6248.75,3614.59 6248.75,3560.7 cw(c6234.45,3560.7) 6220.15,3560.7 6220.15,3614.59 ccw(c6213.4,3614.59) 6206.65,3614.59 6206.65,3560.7 cw(c6192.35,3560.7) 6178.05,3560.7 6178.05,3614.59 ccw(c6171.3,3614.59) 6164.55,3614.59 6164.55,3560.7 cw(c6150.25,3560.7) 6135.95,3560.7 6135.95,3614.59 ccw(c6129.2,3614.59) 6122.45,3614.59 6122.45,3560.7 cw(c6108.15,3560.7) 6093.85,3560.7 6093.85,3614.59 ccw(c6087.1,3614.59) 6080.35,3614.59 6080.35,3560.7 cw(c6066.05,3560.7) 6051.75,3560.7 6051.75,3614.59 ccw(c6045,3614.59) 6038.25,3614.59 6038.25,3560.7 cw(c6023.95,3560.7) 6009.65,3560.7 6009.65,3614.59 ccw(c6002.9,3614.59) 5996.15,3614.59 5996.15,3561.3 cw(c5981.85,3561.3) 5981.85,3547 5976.33,3547 5828,3547 5826.29,3547.18 ccw(c5825.92,3543.7) 5825.92,3547.2 cw(c5826.87,3654.55) 5750.93,3578.68 5067.17,4262.44 cw(c5143.05,4338.38) 5036.2,4328.02 5035.56,4334.54
HPCC_A_10_N: J6.C19 U16.AF12 | length 5115.5
  (L1) Top w3.5: U16.AF12@4940.94,4507.87 4951.19,4507.87 cw(c4951.19,4503.06) 4956,4503.06 4956,4297.87 ccw(c5063.55,4297.87) 4987.5,4221.82 5831.37,3377.95 ccw(c5907.42,3454) 5896.58,3347 ccw(c5907.42,3454) 5898.33,3346.83 5907.42,3346.45 5915.21,3346.45 cw(c5915.21,3339.7) 5921.96,3339.7 5921.96,3334.03 ccw(c5928.71,3334.03) 5935.46,3334.03 5935.46,3339.9 cw(c5942.21,3339.9) 5948.96,3339.9 5948.96,3334.03 ccw(c5955.71,3334.03) 5962.46,3334.03 5962.46,3339.7 cw(c5969.21,3339.7) 5969.21,3346.45 5978,3346.45 5983.53,3346.45 ccw(c5983.53,3360.75) 5997.83,3360.75 5997.83,3410.09 cw(c6004.58,3410.09) 6011.33,3410.09 6011.33,3359.85 ccw(c6025.63,3359.85) 6039.93,3359.85 6039.93,3410.09 cw(c6046.68,3410.09) 6053.43,3410.09 6053.43,3359.85 ccw(c6067.73,3359.85) 6082.03,3359.85 6082.03,3410.09 cw(c6088.78,3410.09) 6095.53,3410.09 6095.53,3359.85 ccw(c6109.83,3359.85) 6124.13,3359.85 6124.13,3410.09 cw(c6130.88,3410.09) 6137.63,3410.09 6137.63,3359.85 ccw(c6151.93,3359.85) 6166.23,3359.85 6166.23,3410.09 cw(c6172.98,3410.09) 6179.73,3410.09 6179.73,3359.85 ccw(c6194.03,3359.85) 6208.33,3359.85 6208.33,3410.09 cw(c6215.08,3410.09) 6221.83,3410.09 6221.83,3359.85 ccw(c6236.13,3359.85) 6250.43,3359.85 6250.43,3410.09 cw(c6257.18,3410.09) 6263.93,3410.09 6263.93,3359.85 ccw(c6278.23,3359.85) 6292.53,3359.85 6292.53,3410.09 cw(c6299.28,3410.09) 6306.03,3410.09 6306.03,3359.85 ccw(c6320.33,3359.85) 6334.63,3359.85 6334.63,3410.09 cw(c6341.38,3410.09) 6348.13,3410.09 6348.13,3359.85 ccw(c6362.43,3359.85) 6376.73,3359.85 6376.73,3410.09 cw(c6383.48,3410.09) 6390.23,3410.09 6390.23,3359.85 ccw(c6404.53,3359.85) 6418.83,3359.85 6418.83,3410.09 cw(c6425.58,3410.09) 6432.33,3410.09 6432.33,3359.85 ccw(c6446.63,3359.85) 6460.93,3359.85 6460.93,3410.09 cw(c6467.68,3410.09) 6474.43,3410.09 6474.43,3359.85 ccw(c6488.73,3359.85) 6503.03,3359.85 6503.03,3410.09 cw(c6509.78,3410.09) 6516.53,3410.09 6516.53,3359.85 ccw(c6530.83,3359.85) 6545.13,3359.85 6545.13,3410.09 cw(c6551.88,3410.09) 6558.63,3410.09 6558.63,3359.85 ccw(c6572.93,3359.85) 6587.23,3359.85 6587.23,3410.09 cw(c6593.98,3410.09) 6600.73,3410.09 6600.73,3359.85 ccw(c6615.03,3359.85) 6629.33,3359.85 6629.33,3410.09 cw(c6636.08,3410.09) 6642.83,3410.09 6642.83,3359.85 ccw(c6657.13,3359.85) 6671.43,3359.85 6671.43,3410.09 cw(c6678.18,3410.09) 6684.93,3410.09 6684.93,3359.85 ccw(c6699.23,3359.85) 6713.53,3359.85 6713.53,3410.09 cw(c6720.28,3410.09) 6727.03,3410.09 6727.03,3360.75 ccw(c6741.33,3360.75) 6741.33,3346.45 6781,3346.45 7120,3346.45 cw(c7120,3341.45) 7125,3341.45 J6.C19@7125,3325